# Altium PCB CrypTech.PcbDoc (part 1 of 6) (continued)
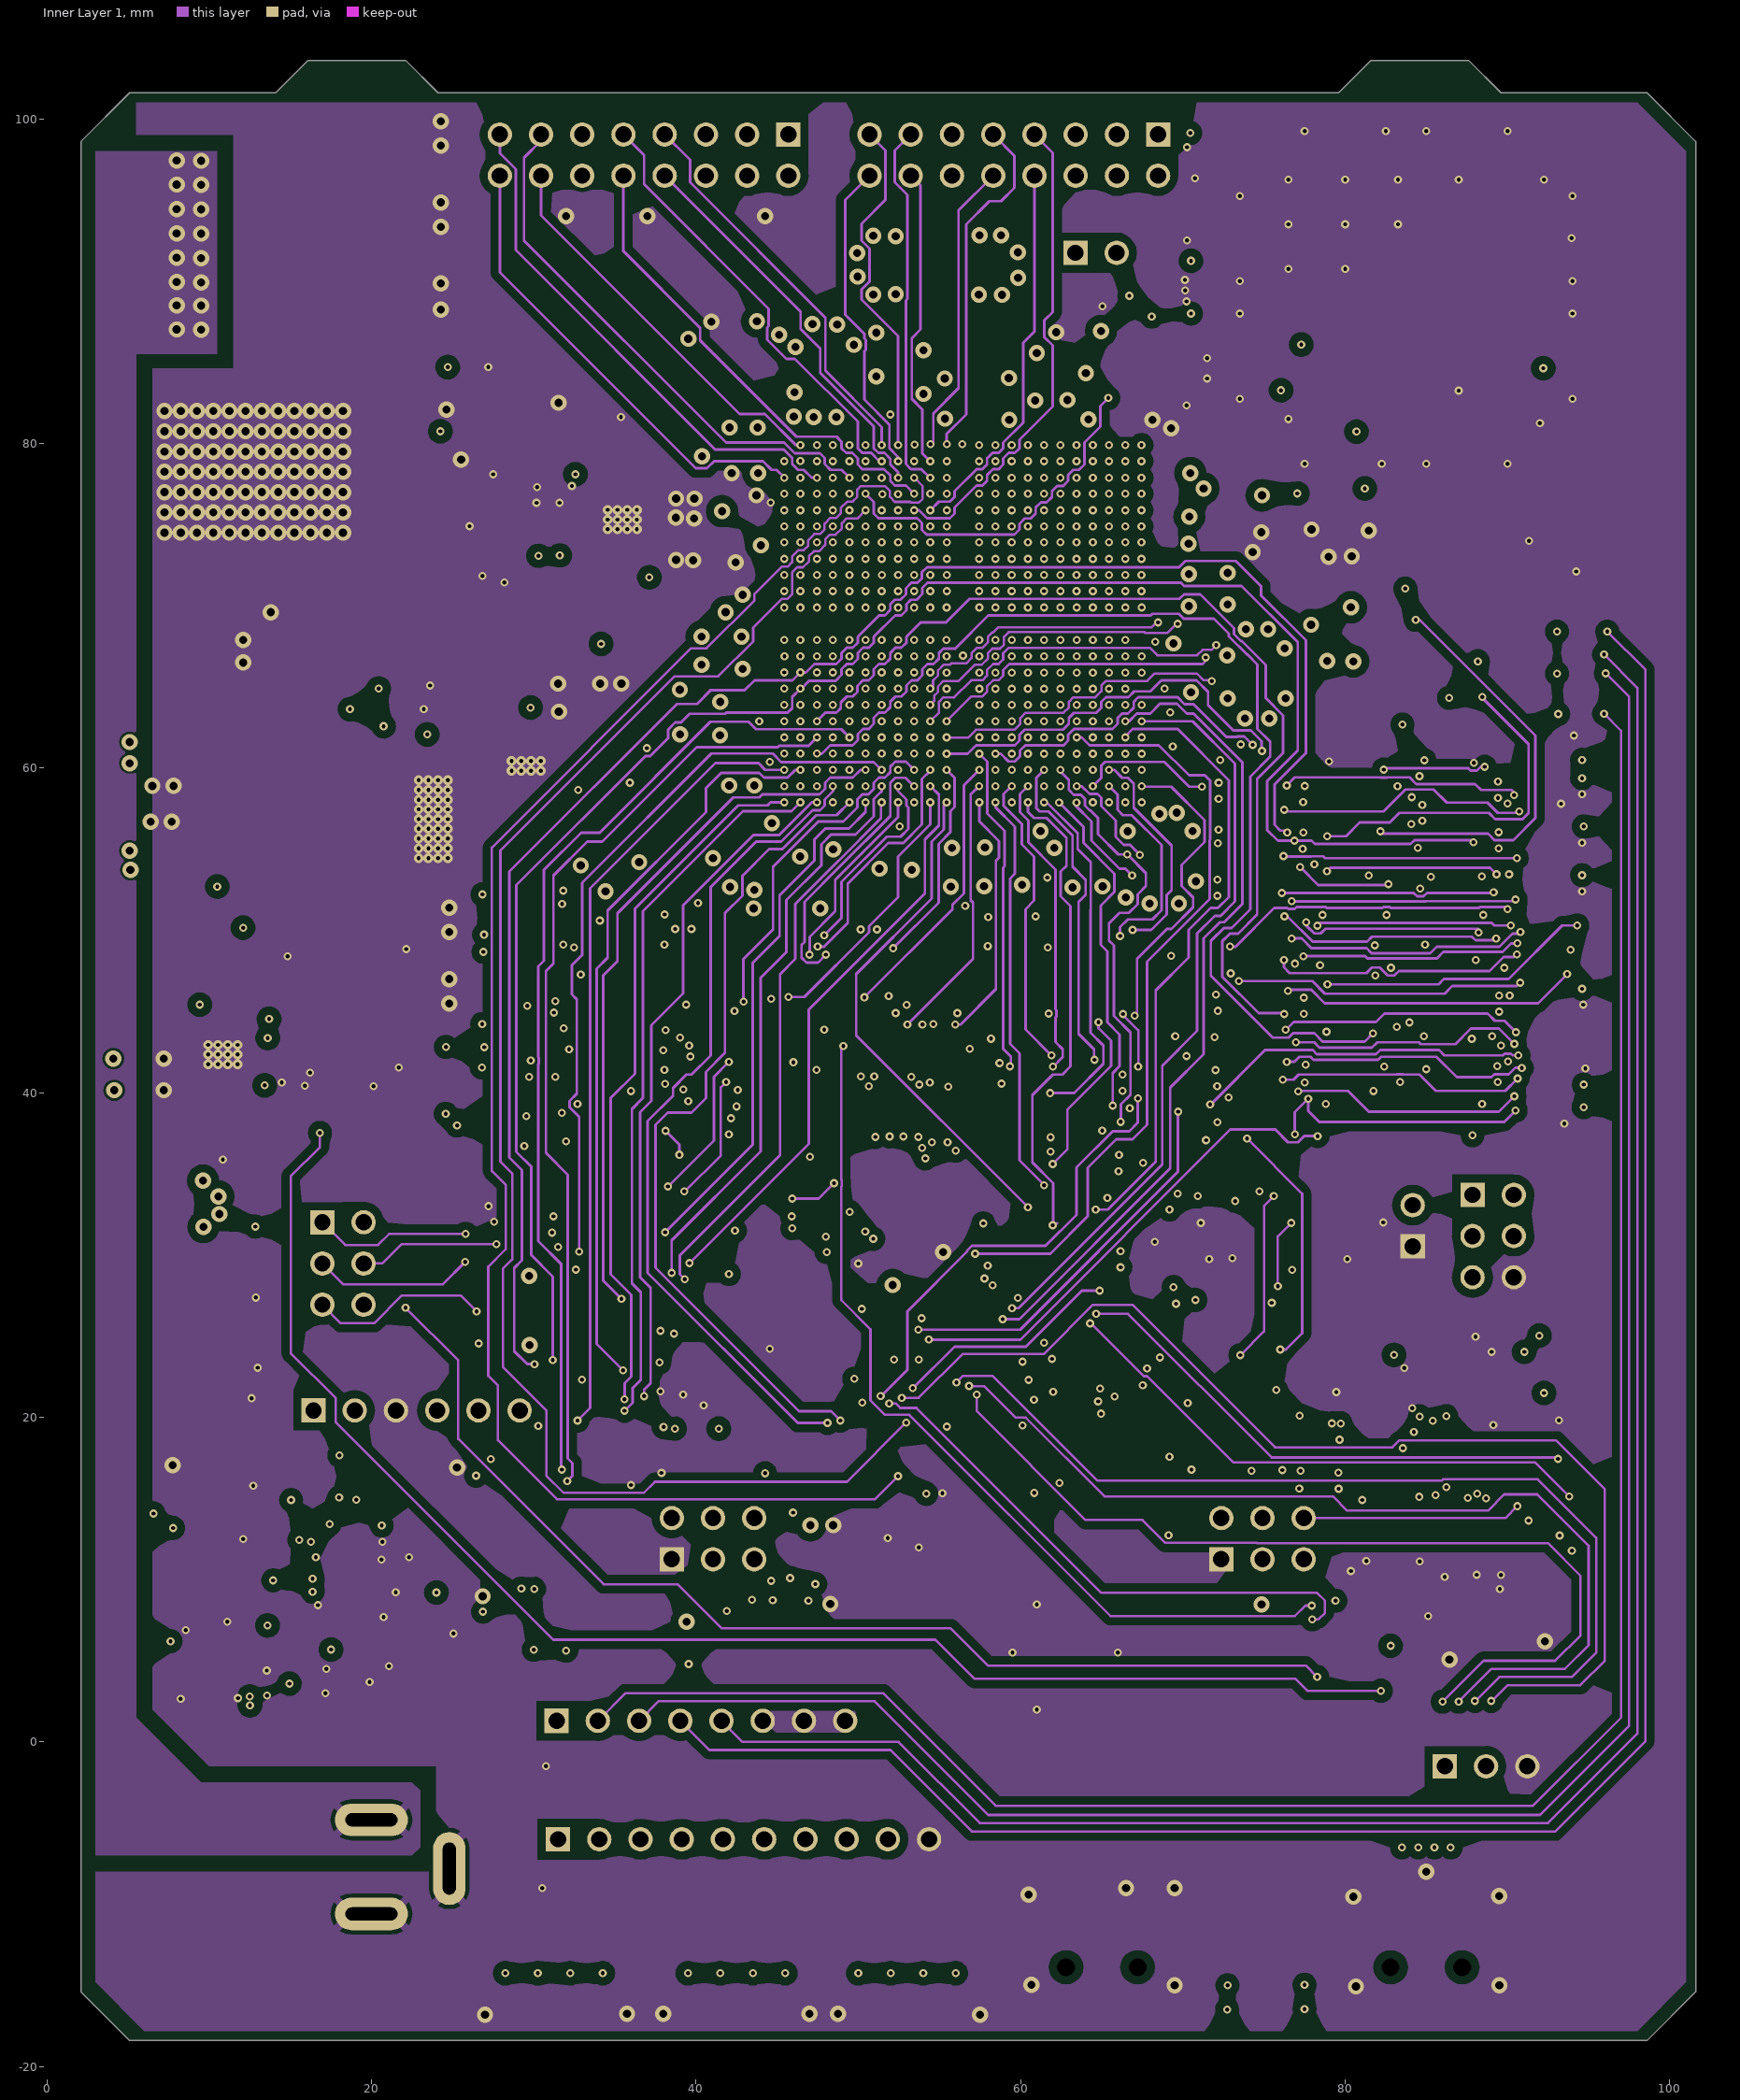
[diagram p3: Inner Layer 1]
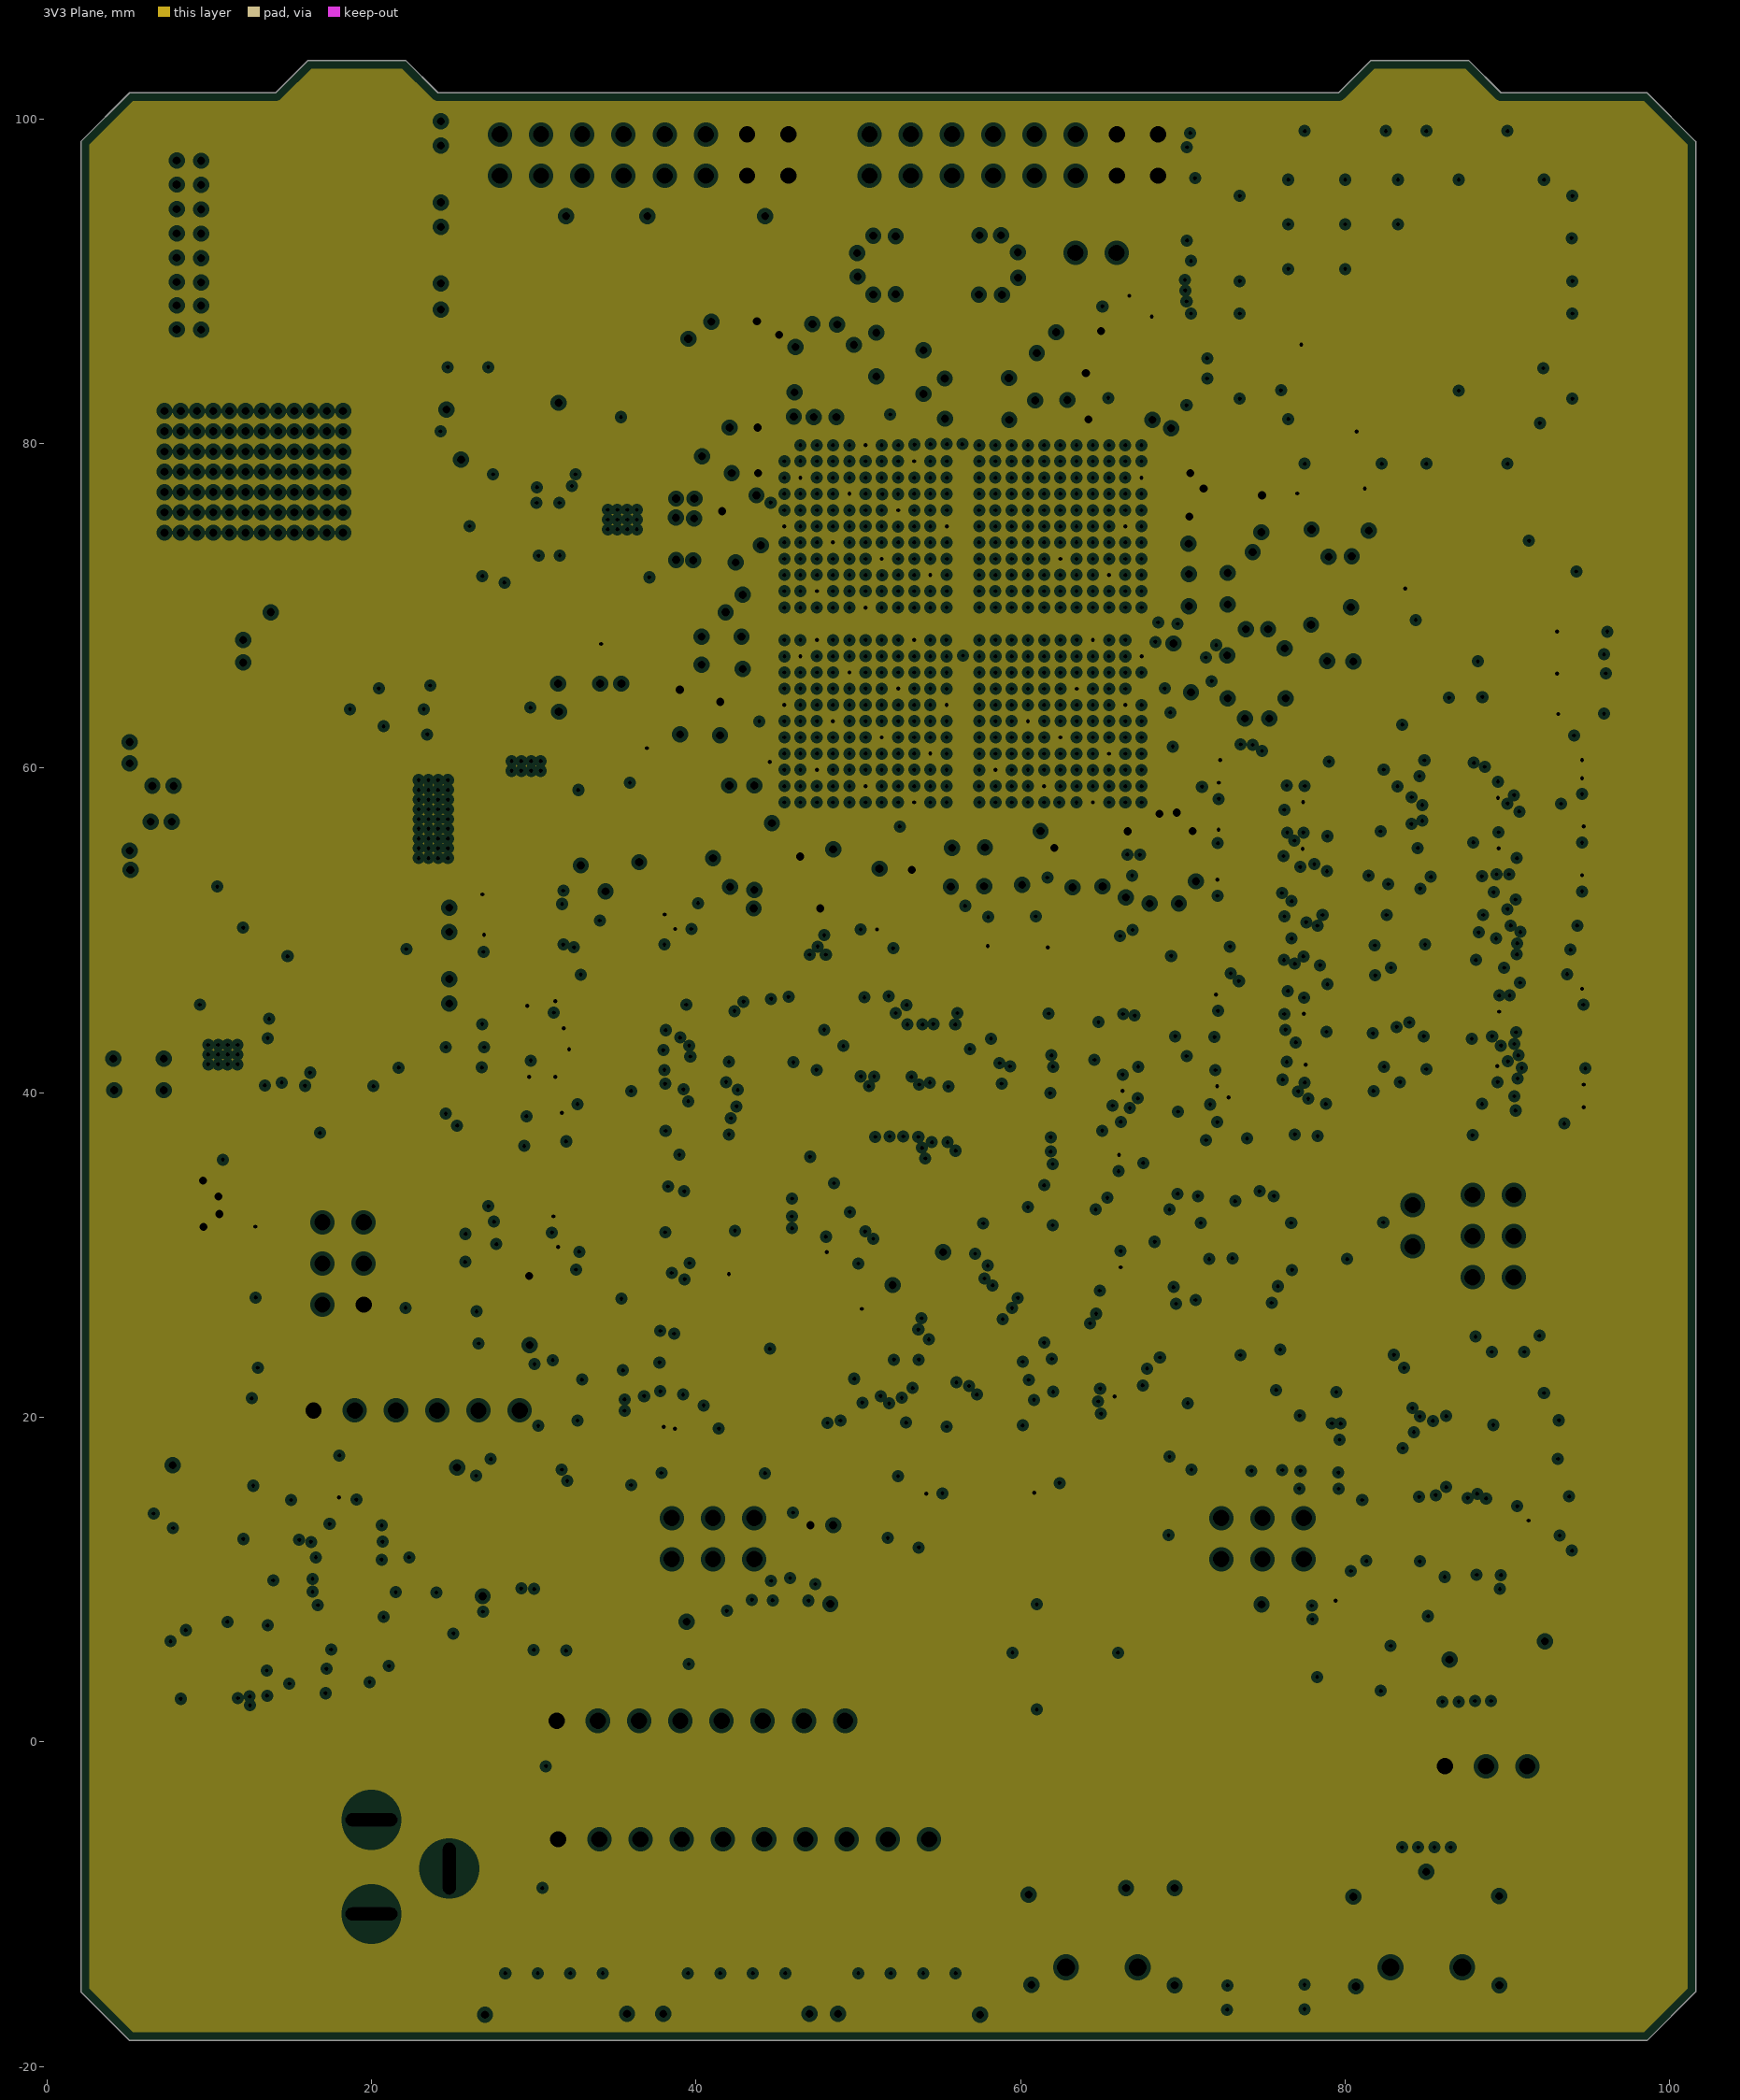
[diagram p4: 3V3 Plane, clearances drawn from the general rule]
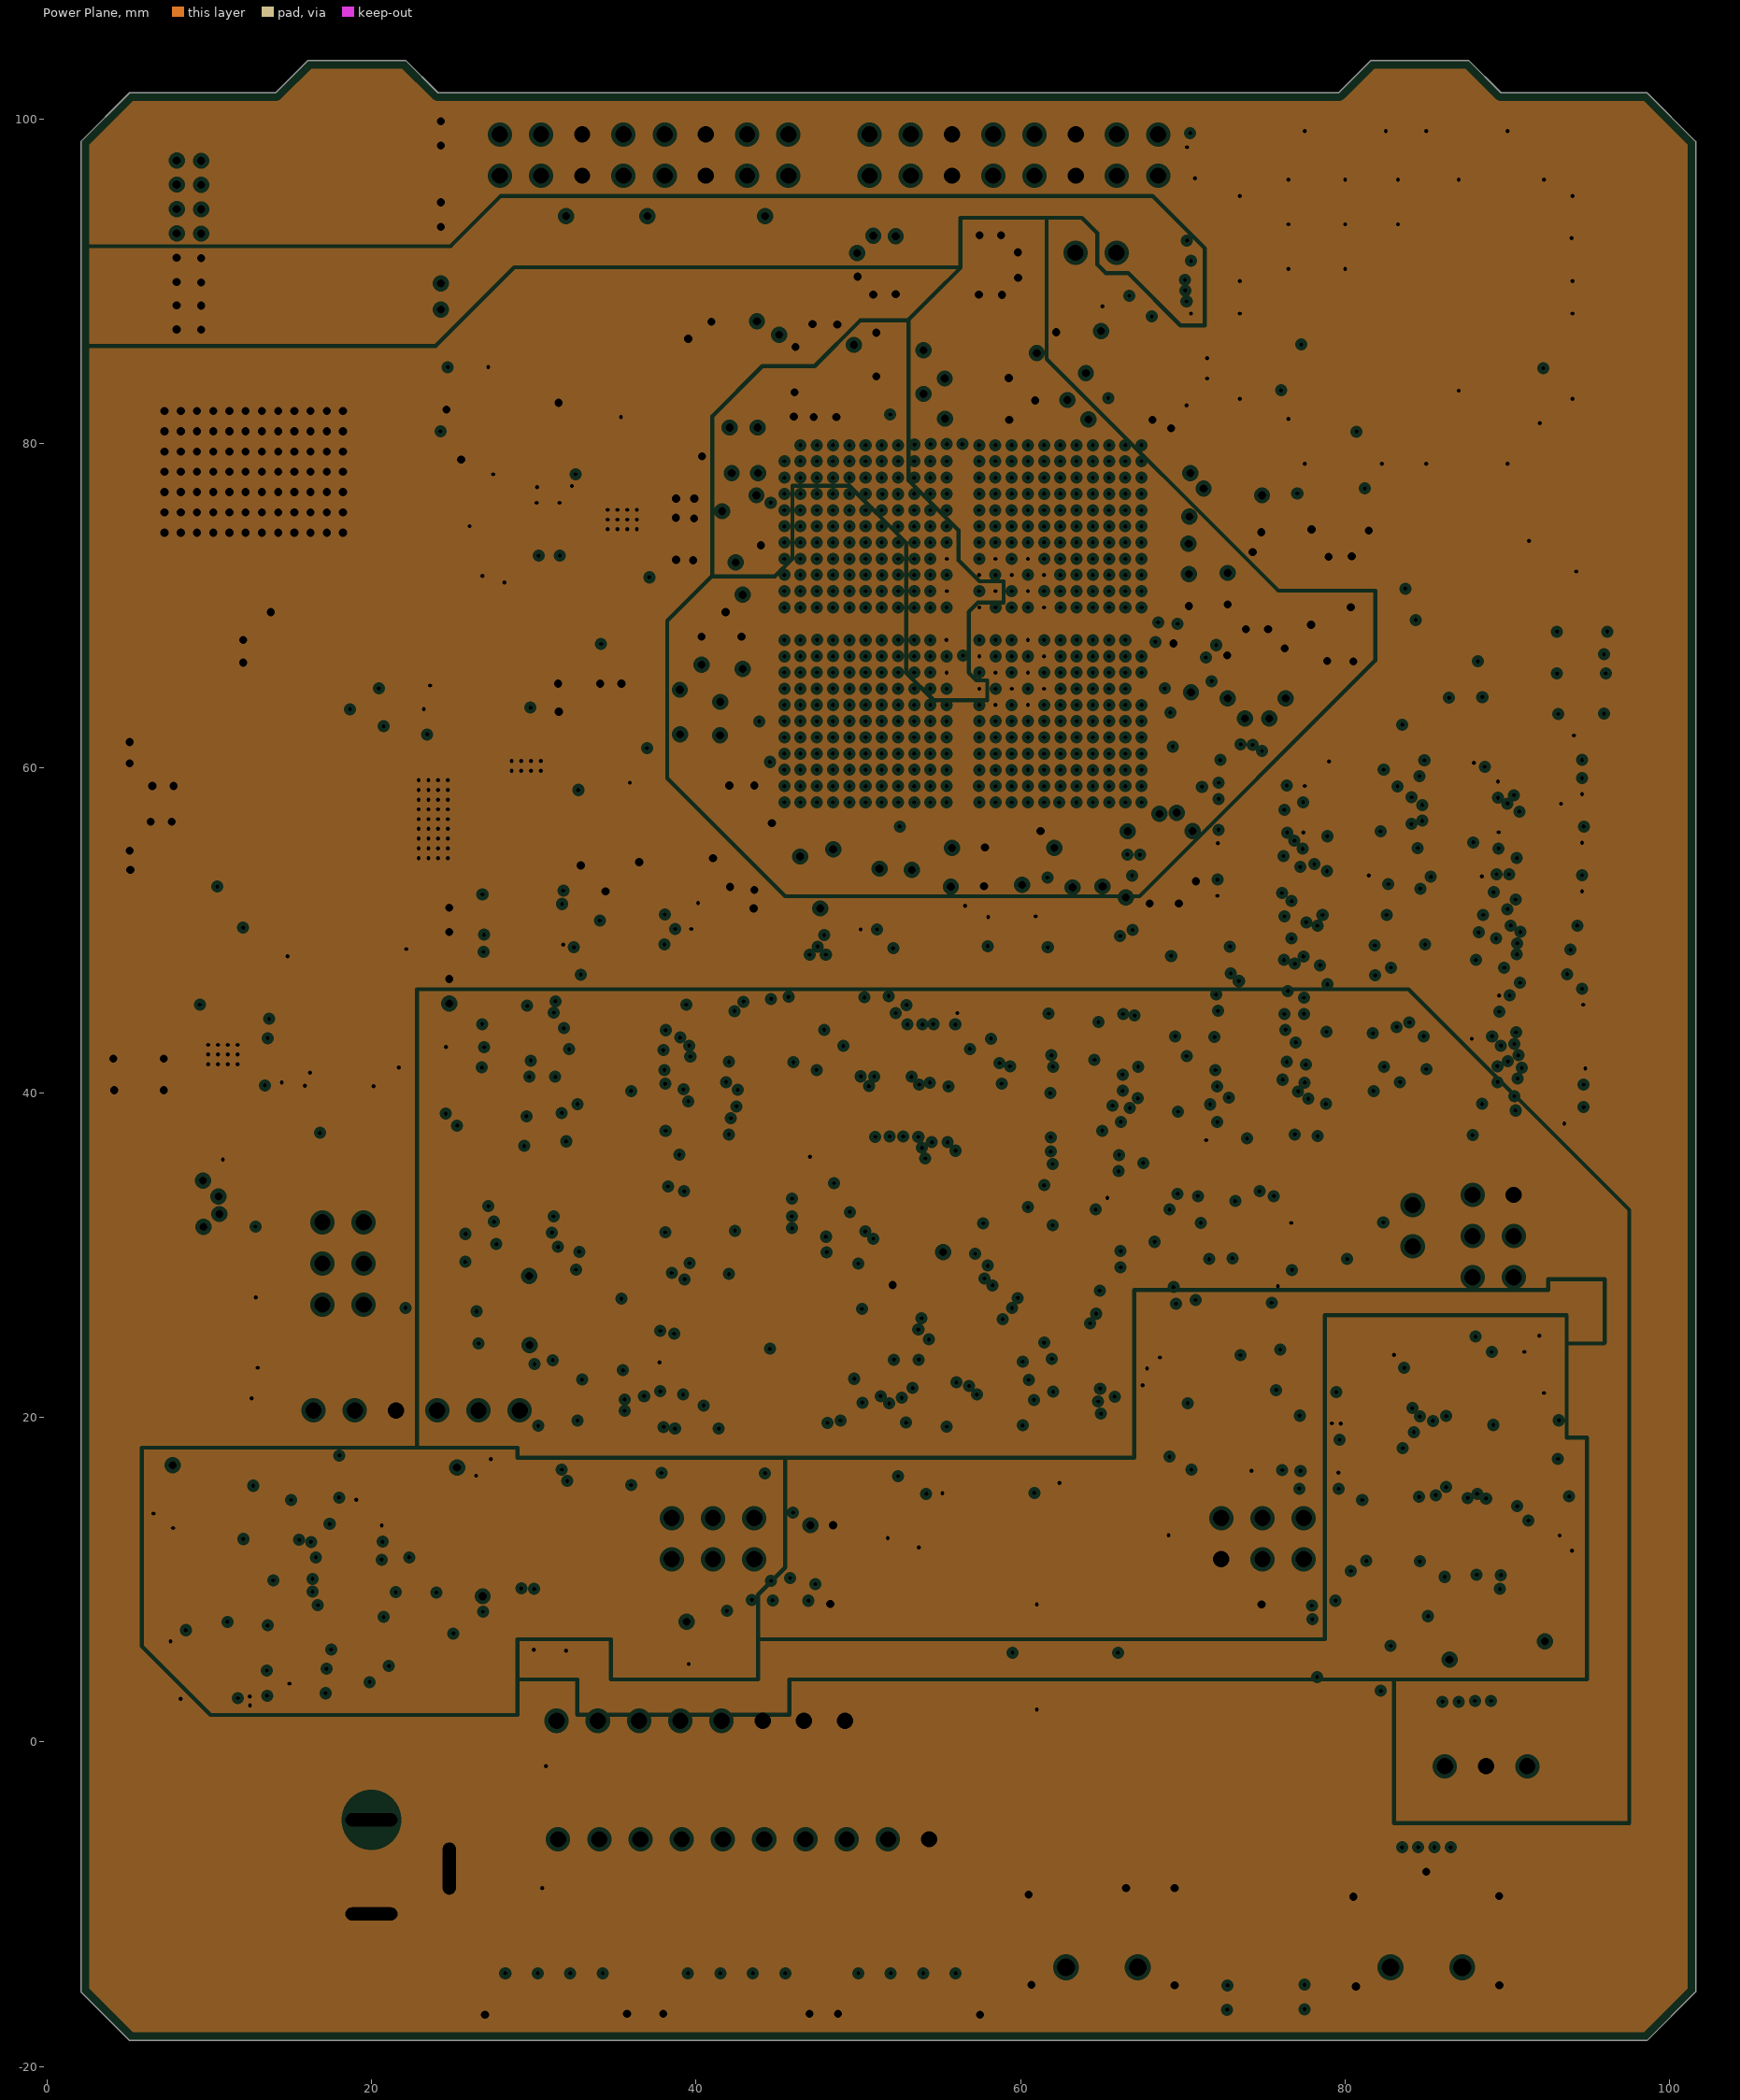
[diagram p5: Power Plane, clearances drawn from the general rule]
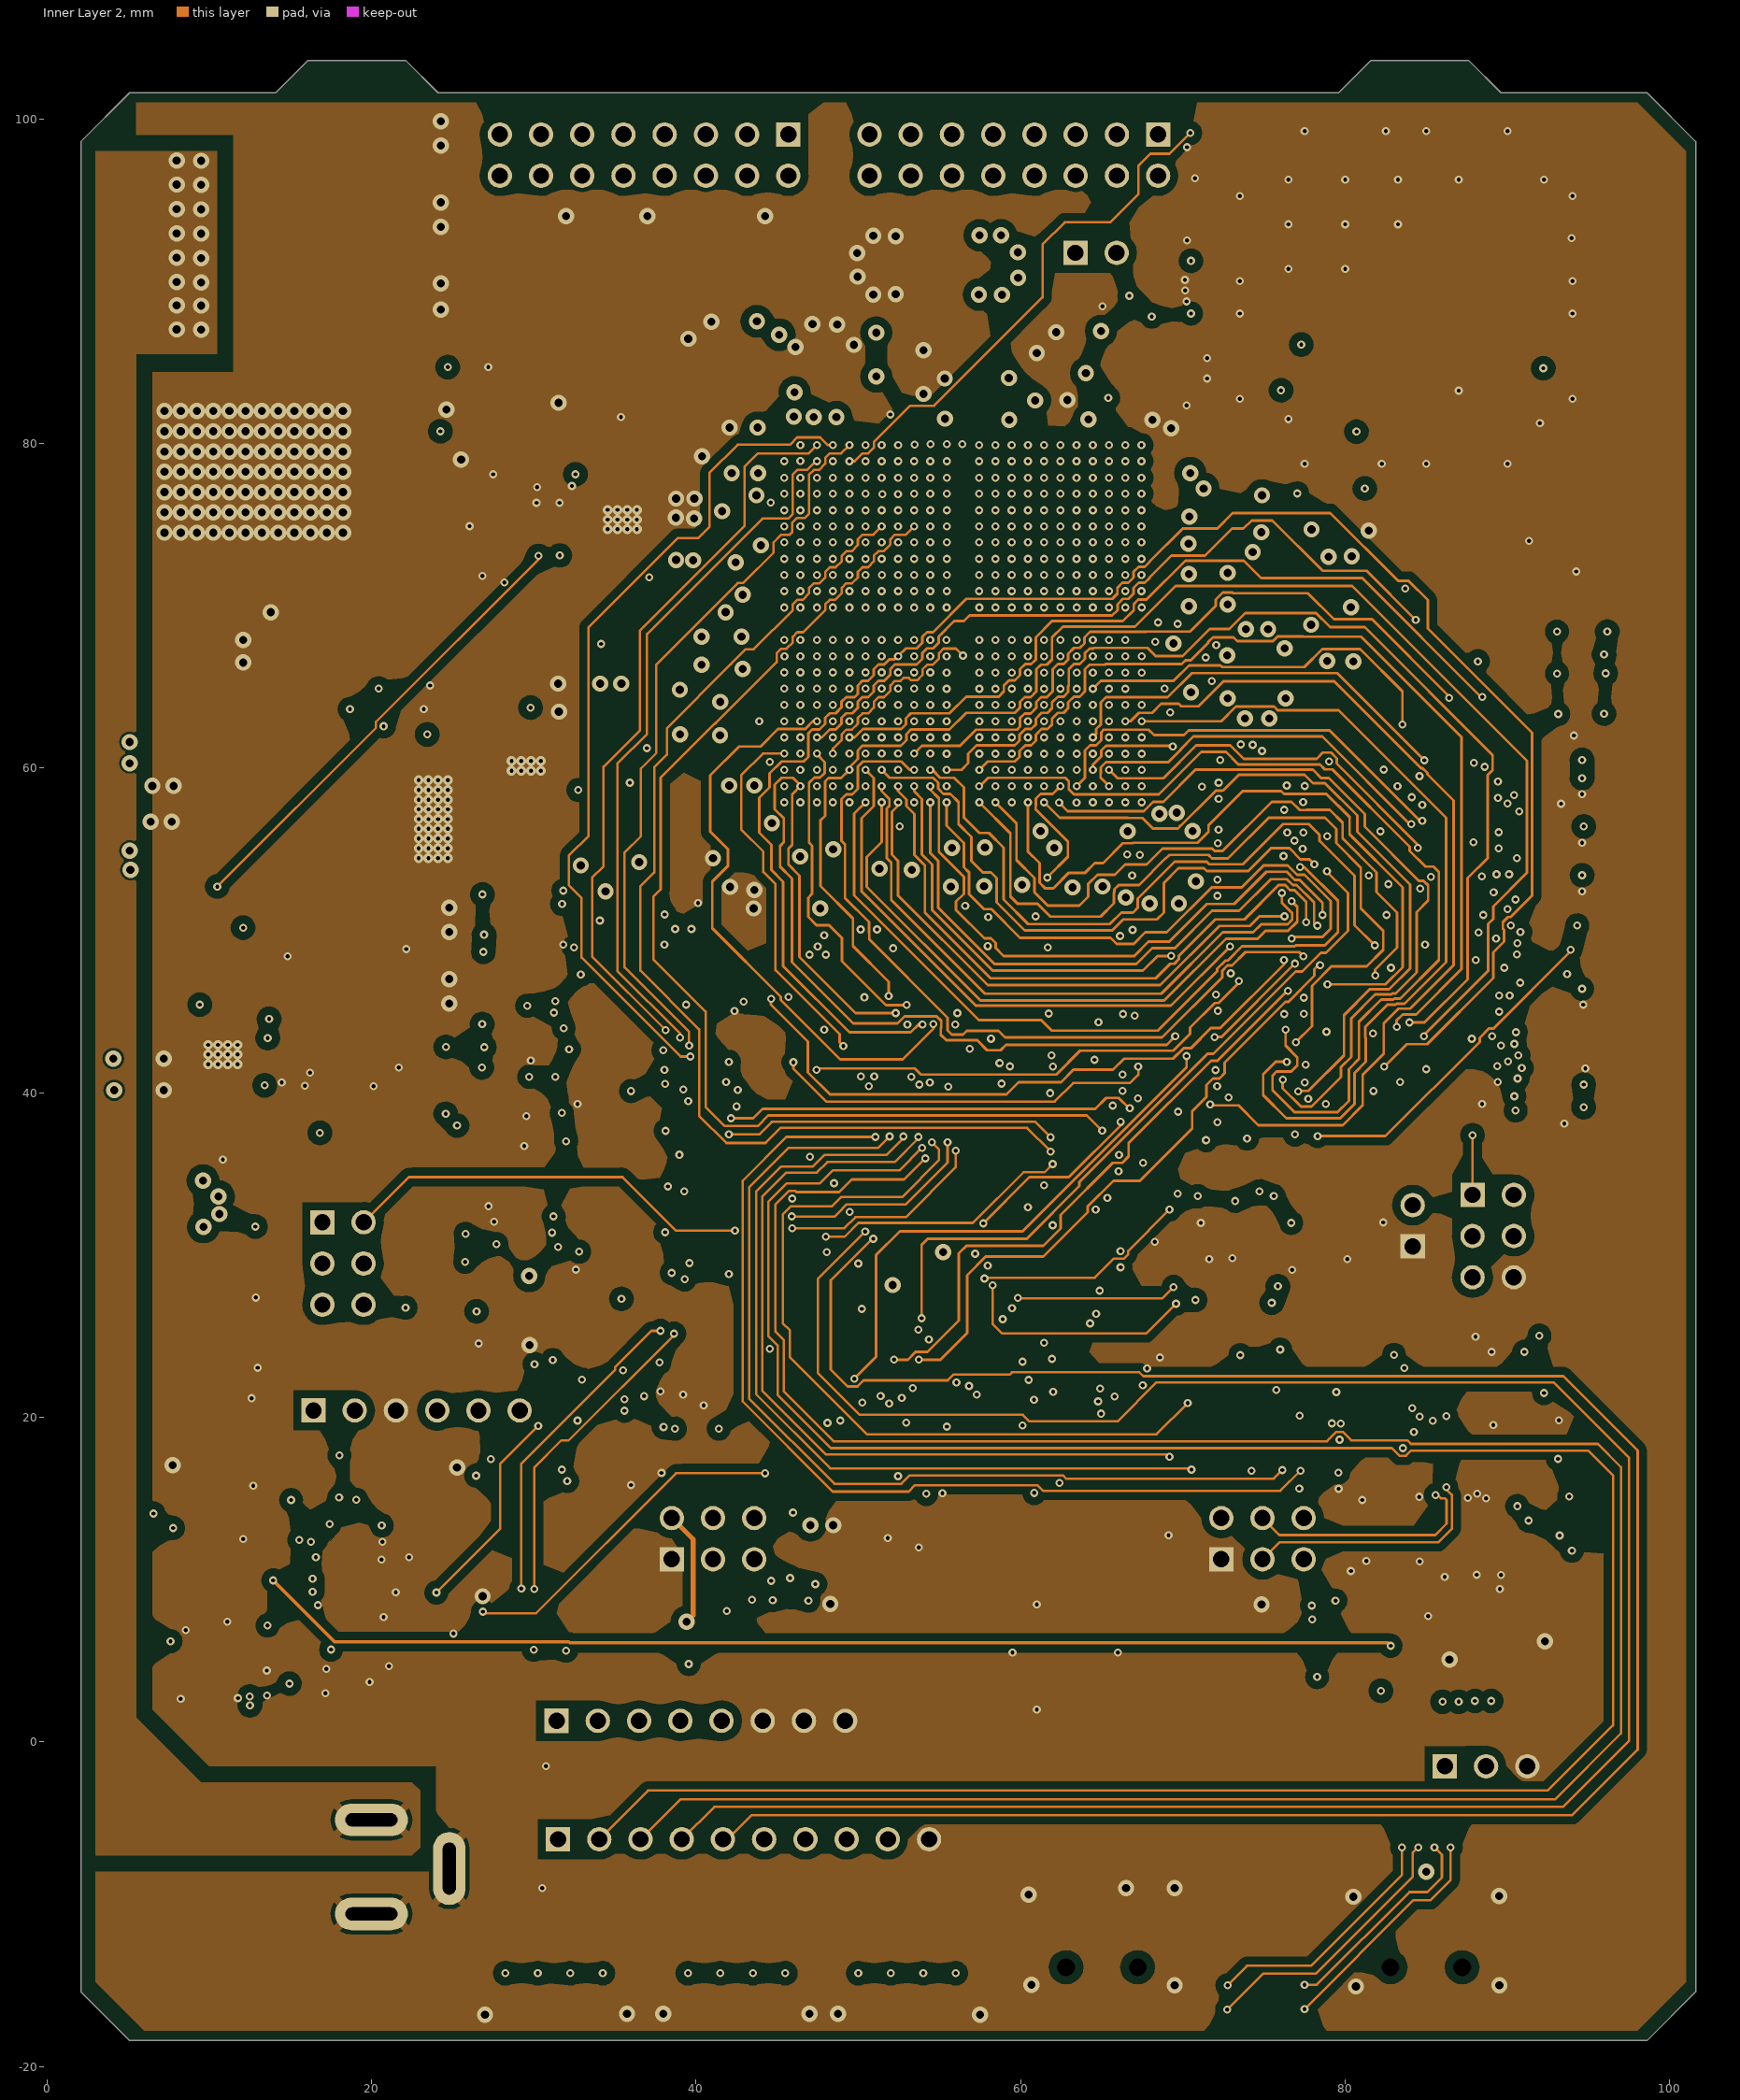
[diagram p6: Inner Layer 2]